# KiCad board m-blanc.kicad_pcb (continued)
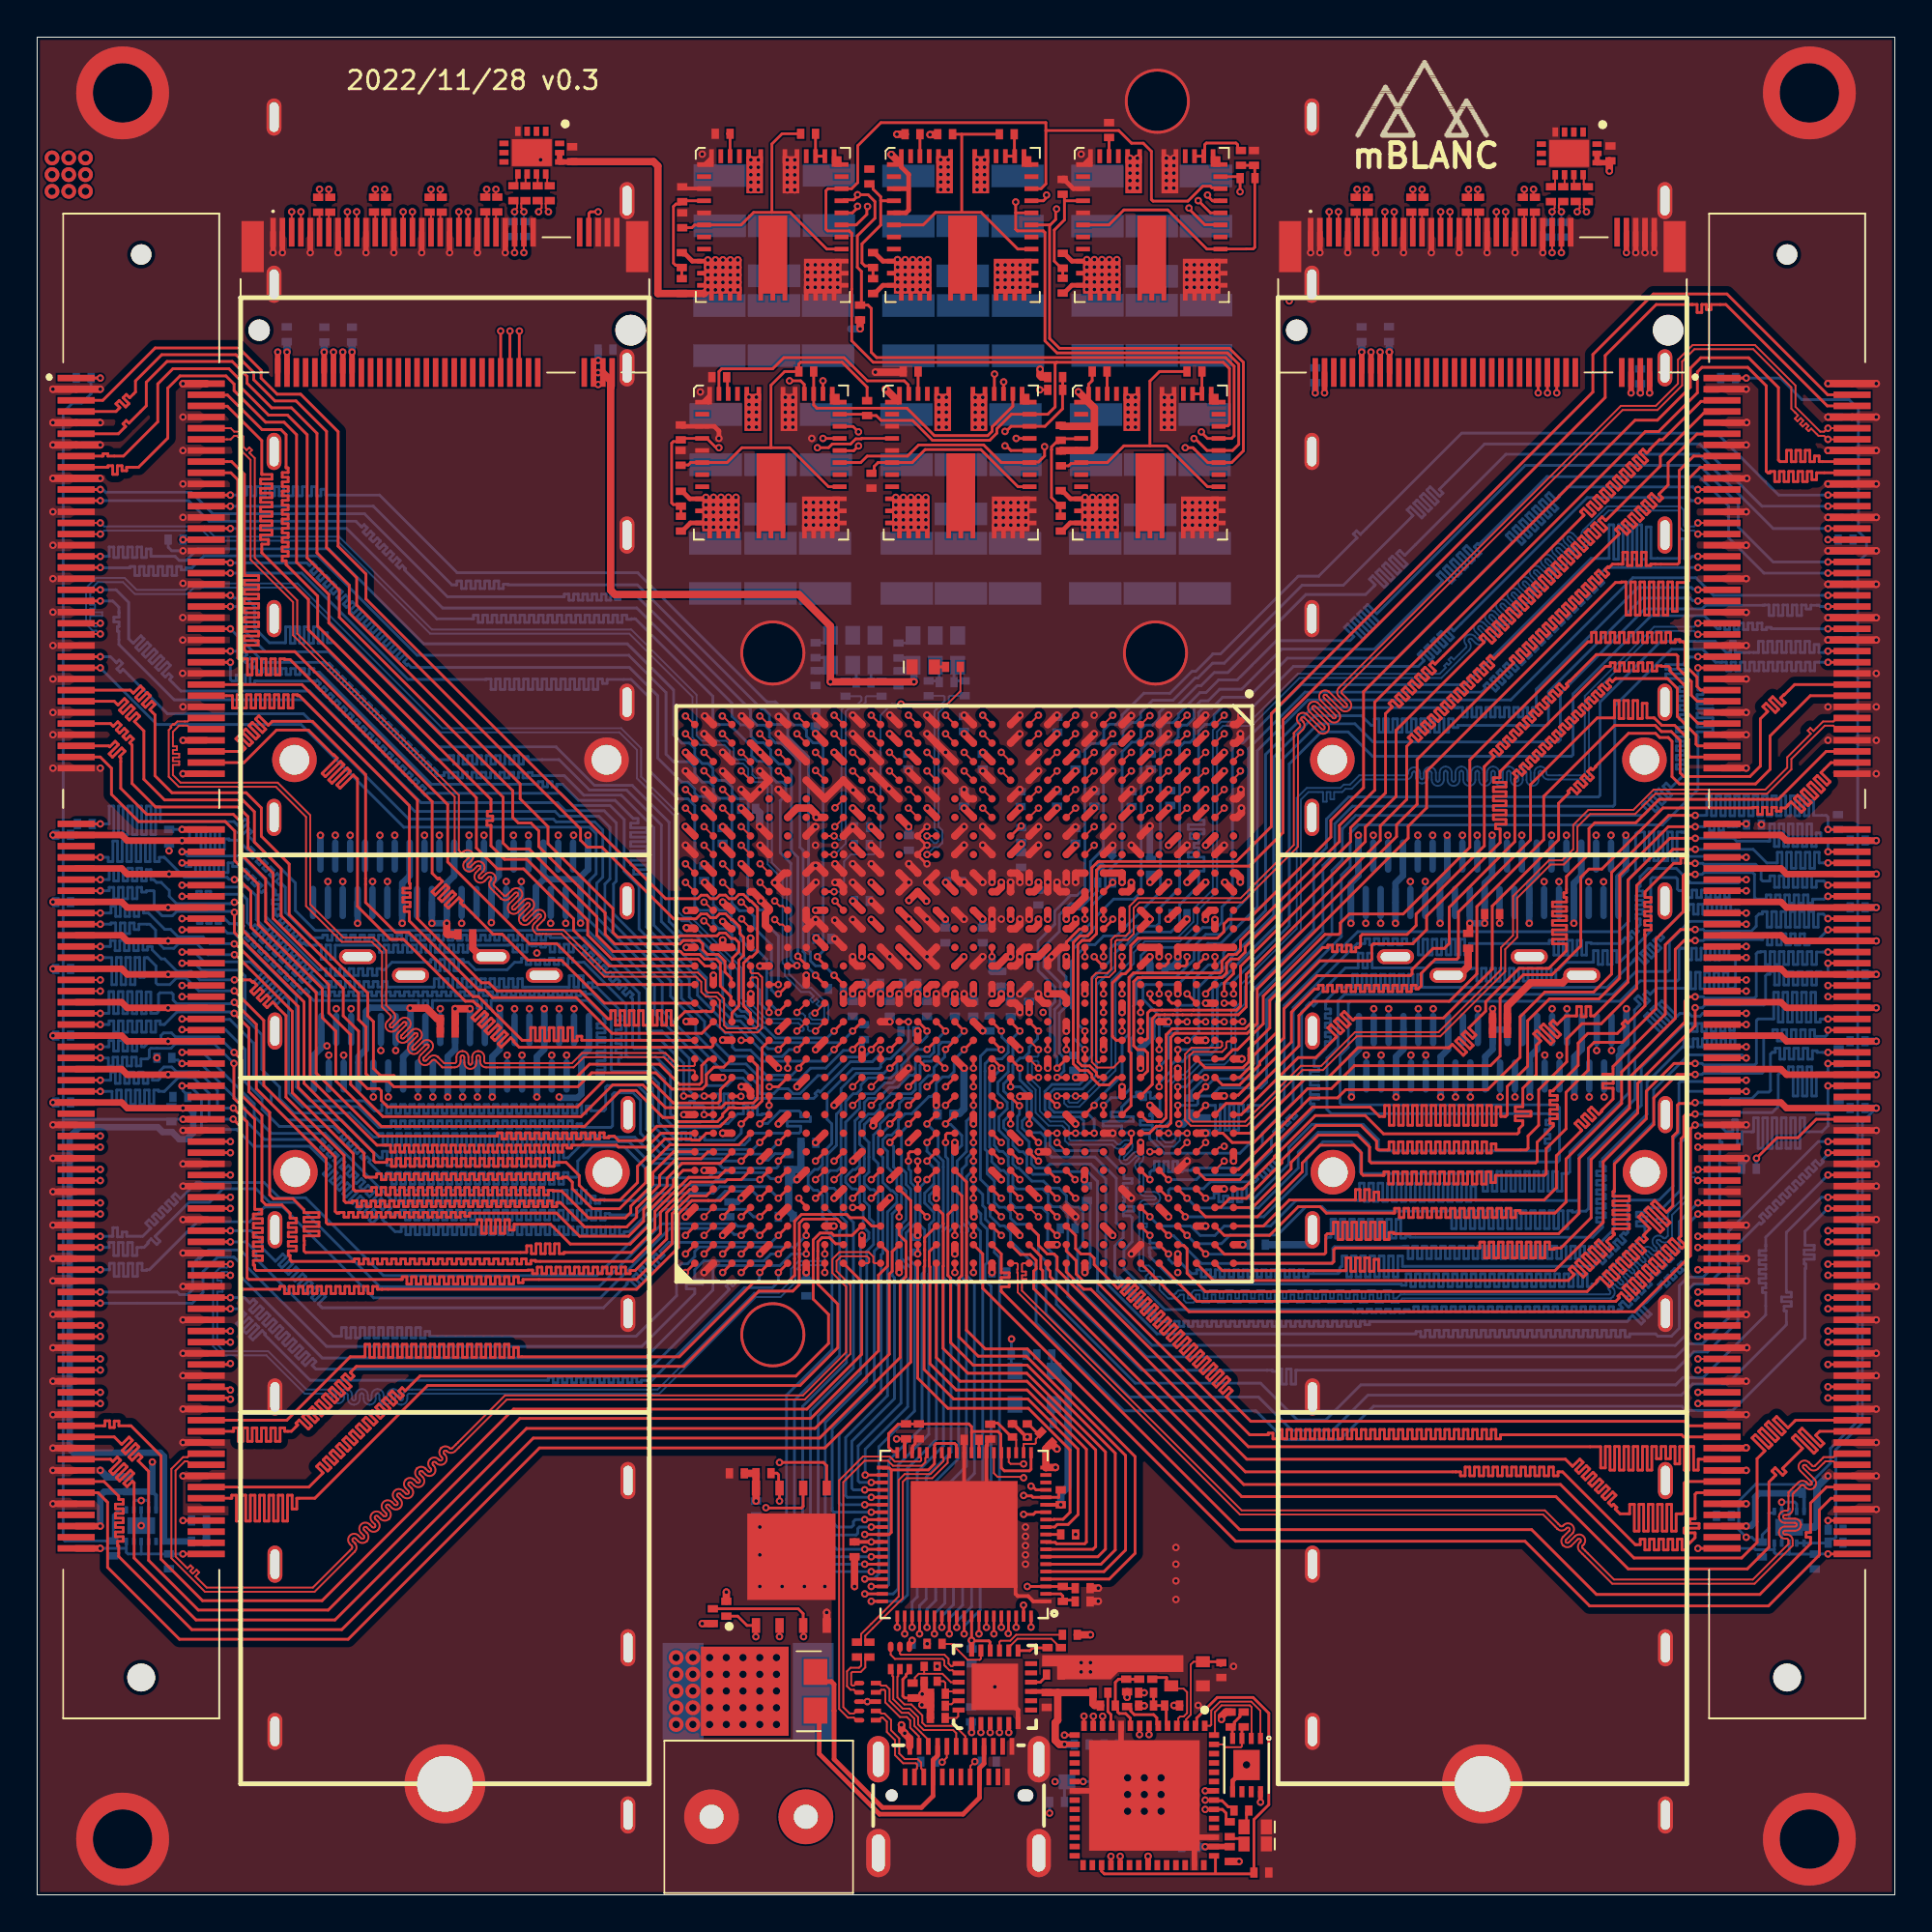
[diagram p0: board, top side]
## Placement (name value [footprint] x y rotation side) (continued)
C189  0.1u  [SMD0402]  47.5 13.51 0 bottom
C190  0.1u  [SMD0402]  72.77 84.01 270 bottom
C191  0.1u  [SMD0402]  98 53.15 0 bottom
C192  0.1u  [SMD0402]  98 49.55 0 bottom
C193  0.1u  [SMD0402]  97.99 45.95 0 bottom
C194  0.1u  [SMD0402]  97.99 42.35 0 bottom
C195  0.1u  [SMD0402]  1.4 46.25 180 bottom
C196  0.1u  [SMD0402]  1.4 49.84 180 bottom
C197  0.1u  [SMD0402]  1.4 42.65 180 bottom
C198  0.1u  [SMD0402]  62.9 41.42 270 bottom
C199  0.1u  [SMD0402]  40.45 39.44 90 bottom
C200  0.1u  [SMD0402]  1.4 53.44 180 bottom
CON1  USB4055  [DX07S024JA2R1200]  49.6 3.05 0 top
D1  V10P20-M3_86A  [V10P20M386A]  39.14 10.96 90 top
D2  CDBZ5T1045-HF  [DIOM8060X543N]  38.28 10.96 0 bottom
DIMM1  DDR3  [296409204003856]  5.6 50 270 top
DIMM2  DDR3  [296409204003856]  94.2 50 270 top
DS1  LED 0603  [LED0603]  65.57 3.66 0 top
DS2  LED 0603  [LED0603]  65.57 2.74 0 top
DS3  LED 0603  [LED0603]  47.7 66.1 180 top
FB1  600R/0.5A  [SMD0402]  51.9 49.31 270 bottom
FB2  600R/0.5A  [SMD0402]  57.64 10.19 180 top
FB3  600R/0.5A  [SMD0402]  59.69 10.88 180 top
FB4  600R/0.5A  [SMD0402]  46.77 24.95 90 top
FB5  600R/0.5A  [SMD0402]  55.21 16.2 270 top
FL1  ECMF04-4HSWM10  [SON50P135X260X55-10N-D]  44.7 10.4 180 top
FL2  ECMF02-2AMX6  [SON50P150X170X55-6N-D]  46.45 12.75 90 top
J1  CON  [TB00650802BE]  36.3 4.2 0 top
K1  DSC557-0344FI0  [QFN50P250X320X90-15N]  26.63 93.78 270 top
K2  DSC557-0344FI0  [QFN50P250X320X90-15N]  82.47 93.74 270 top
M.2 #1  PCI-M2-M  [PCIE-M2-M]  21.95 84.23 0 top
M.2 #2  PCI-M2-M  [PCIE-M2-M]  77.8 84.23 0 top
Q1  SI2324A-TP  [SI2305TP]  56.44 6.08 270 bottom
QSFP+ #1  1888617-1  [18886171]  86.55 38.9 180 bottom
QSFP+ #2  1888617-1  [18886171]  69.72 61.1 0 bottom
QSFP+ #3  1888617-1  [18886171]  13.85 61.1 0 bottom
QSFP+ #4  1888617-1  [18886171]  30.7 38.9 180 bottom
R1  1k6  [SMD0402]  64.2 3.53 90 top
R2  1k  [SMD0402]  55.5 19.4 0 top
R3  10k  [SMD0402]  55.1 21.4 90 top
R4  1k6  [SMD0402]  64.82 4.54 180 top
R5  1k6  [SMD0402]  50.3 24.5 180 top
R6  4k7  [SMD0402]  57.24 10.89 0 top
R7  12k  [SMD0402]  58.67 10.53 270 top
R8  2k  [SMD0402]  64.95 9.44 90 top
R9  10k  [SMD0402]  64.24 9.44 90 top
R10  100k  [SMD0402]  55.59 14 180 top
R11  50k  [SMD0402]  55.11 12.91 270 top
R12  50k  [SMD0402]  54.39 12.91 270 top
R13  50k  [SMD0402]  48.31 13.51 0 top
R14  12k  [SMD0402]  48.48 9.52 0 top
R15  4k7  [SMD0402]  54.9 5 180 bottom
R16  4k7  [SMD0402]  57.49 54.49 180 bottom
R17  4k7  [SMD0402]  36.37 15 270 top
R18  2k4  [SMD0402]  37.1 15.4 90 top
R19  4k7  [SMD0402]  39.1 22.7 180 top
R20  1k  [SMD0402]  47.29 35 90 bottom
R21  1k6  [SMD0402]  49.3 66.1 0 top
R22  4k7  [SMD0402]  96.98 45.14 90 bottom
R23  4k7  [SMD0402]  6.85 45.06 180 bottom
R24  4k7  [SMD0402]  96.98 43.15 270 bottom
R25  4k7  [SMD0402]  7.71 42.95 180 bottom
R26  4k7  [SMD0402]  97.35 72.95 0 bottom
R27  4k7  [SMD0402]  7.45 72.95 180 bottom
R28  4k7  [SMD0402]  92.42 57.61 0 bottom
R29  4k7  [SMD0402]  2.57 57.65 180 bottom
R30  4k7  [SMD0402]  96.94 57.75 90 bottom
R31  4k7  [SMD0402]  7.1 56.95 270 bottom
R32  4k7  [SMD0402]  96.81 19.65 0 bottom
R33  4k7  [SMD0402]  8.71 20.16 0 bottom
R34  10k  [SMD0402]  41.4 82 0 top
R35  2k  [SMD0402]  34.65 75.16 90 top
R36  3k  [SMD0402]  34.65 78.72 90 top
R37  10k  [SMD0402]  44.68 80.03 270 top
R38  4k99  [SMD0402]  36.72 81.7 180 top
R39  10k  [SMD0402]  54.8 81.02 180 top
R40  15k  [SMD0402]  47.02 82 180 top
R41  10k  [SMD0402]  62.3 82 0 top
R42  2k  [SMD0402]  55.1 75.19 90 top
R43  2k  [SMD0402]  55.1 78.7 90 top
R44  24k9  [SMD0402]  57.19 82 180 top
R45  10k  [SMD0402]  64.8 93.5 90 top
R46  2k  [SMD0402]  55.2 86.62 270 top
R47  1k6  [SMD0402]  55.2 91.94 90 top
R48  34k8  [SMD0402]  57.7 95 90 top
R49  10k  [SMD0402]  52.19 94.77 0 top
R50  5k  [SMD0402]  44.99 88 90 top
R51  2k5  [SMD0402]  44.8 92.5 90 top
R52  45k3  [SMD0402]  47.12 94.78 180 top
R53  10k  [SMD0402]  41.5 94.8 0 top
R54  4k5  [SMD0402]  34.7 88 90 top
R55  1k  [SMD0402]  34.72 91.54 90 top
R56  54k9  [SMD0402]  36.9 94.8 180 top
R57  10k  [SMD0402]  65.16 92.41 180 top
R58  10k  [SMD0402]  44.3 85.18 90 top
R59  10k  [SMD0402]  54.8 81.7 180 top
R60  5k1  [SMD0402]  51.23 7.17 180 bottom
R61  5k1  [SMD0402]  47.96 7.17 0 bottom
R62  4k7  [SMD0402]  55.1 25.4 180 bottom
R63  4k7  [SMD0402]  41.9 67 270 bottom
R64  100  [SMD0402]  44.49 65.26 0 bottom
R65  100  [SMD0402]  52.97 57.05 270 bottom
R66  4k7  [SMD0402]  78.32 52.79 0 top
R67  33  [SMD0402]  26.28 91.6 90 top
R68  33  [SMD0402]  25.63 91.6 90 top
R69  49R9  [SMD0402]  25.61 89.67 90 bottom
R70  49R9  [SMD0402]  26.26 89.67 90 bottom
R71  33  [SMD0402]  82.15 91.55 90 top
R72  33  [SMD0402]  81.49 91.55 90 top
R73  49R9  [SMD0402]  81.46 89.64 90 bottom
R74  49R9  [SMD0402]  82.11 89.64 90 bottom
R75  100k  [SMD0402]  57.83 8.09 0 bottom
R76  4k7  [SMD0402]  46.37 66.99 270 bottom
R77  100  [SMD0402]  48.96 65.28 0 bottom
U1  XC7K420T-1FFG901C  [FFG901]  49.9 48.5 270 top
U2  USB2422  [QFN-MJ24]  51.55 11.2 90 top
U3  FT2232H-56Q  [QFN50P800X800X100-57N-D]  59.6 5.35 270 top
U4  FT601Q-B-T  [*QFN40P900X900X100-77N]  49.9 19.4 180 top
U5  93LC46  [*SON50P200X300X100-9N]  65.1 6.99 270 top
U6  S25HL512  [SON127P800X600X80-9N-D]  40.6 18.2 90 top
U7  TPS51206  [SON40P200X200X80-11N]  5.6 19.88 90 bottom
U8  TPS51206  [SON40P200X200X80-11N]  94.31 19.79 90 bottom
VR1  MPM3695-10  [QFN45-MPM3695-10]  39.5 77.1 0 top
VR2  MPM3695-10  [QFN45-MPM3695-10]  49.72 77.1 0 top
VR3  MPM3695-10  [QFN45-MPM3695-10]  59.9 77.1 0 top
VR4  MPM3695-10  [QFN45-MPM3695-10#2]  60 89.89 0 top
VR5  MPM3695-10  [QFN45-MPM3695-10#2]  49.82 89.89 0 top
VR6  MPM3695-10  [QFN45-MPM3695-10#2]  39.6 89.89 0 top
X1  12Mhz  [CRYSTAL2520]  61.9 11.9 180 top
X2  24Mhz  [CRYSTAL1210]  48.1 11.9 270 top
X3  30Mhz  [CRYSTAL1210]  52.9 25 180 top
Y1  100.000MHZ  [ASEM1100000MHZLCT]  53.69 27.3 180 bottom
Y2  AX3DAF1-156.25  [AX3DAF11000000]  43.9 67 0 bottom
Y3  AX3DAF1-156.25  [AX3DAF11000000]  48.35 66.99 0 bottom

## Footprints (pads in the part's own frame, mm; a bottom-side part is the same pattern mirrored in y, then rotated)
18886171
  rrect 0.35x1.8 smd: 1(1.4,5.18) 2(2.2,5.18) 3(3,5.18) 4(3.8,5.18) 5(4.6,5.18) 6(5.4,5.18) 7(6.2,5.18) 8(7,5.18) 9(7.8,5.18) 10(8.6,5.18) 11(9.4,5.18) 12(10.2,5.18) 13(11,5.18) 14(11.8,5.18) 15(12.6,5.18) 16(13.4,5.18) 17(14.2,5.18) 18(15,5.18) 19(15.8,5.18) 20(15.4,7.68) 21(14.6,7.68) 22(13.8,7.68) 23(13,7.68) 24(12.2,7.68) 25(11.4,7.68) 26(10.6,7.68) 27(9.8,7.68) 28(9,7.68) 29(8.2,7.68) 30(7.4,7.68) 31(6.6,7.68) 32(5.8,7.68) 33(5,7.68) 34(4.2,7.68) 35(3.4,7.68) 36(2.6,7.68) 37(1.8,7.68) 38(1,7.68)
  round 2.4 hole 1.6: MH1(0,0) MH2(16.8,0)
  oval 0.8x2 hole 0.5x1.6: MH3(17.9,7.6) MH4(-1.1,3.1) MH5(-1.1,-7.6) MH6(-1.1,-16.6) MH7(-1.1,-25.6) MH8(-1.1,-34.6) MH9(17.9,-3.1) MH10(17.9,-12.1) MH11(17.9,-21.1) MH12(17.9,-30.1)
  oval 2x0.8 hole 1.6x0.5: MH13(3.4,10.6) MH14(10.6,10.6)
296409204003856
  round 1.1 hole 1.1 unplated: (-38.3,0)
  round 1.5 hole 1.5 unplated: (38.3,0)
  rect 0.35x2 smd: 1(-31.65,-3.5) 2(-31.35,3.5) 3(-31.05,-3.5) 4(-30.75,3.5) 5(-30.45,-3.5) 6(-30.15,3.5) 7(-29.85,-3.5) 8(-29.55,3.5) 9(-29.25,-3.5) 10(-28.95,3.5) 11(-28.65,-3.5) 12(-28.35,3.5) 13(-28.05,-3.5) 14(-27.75,3.5) 15(-27.45,-3.5) 16(-27.15,3.5) 17(-26.85,-3.5) 18(-26.55,3.5) 19(-26.25,-3.5) 20(-25.95,3.5) 21(-25.65,-3.5) 22(-25.35,3.5) 23(-25.05,-3.5) 24(-24.75,3.5) 25(-24.45,-3.5) 26(-24.15,3.5) 27(-23.85,-3.5) 28(-23.55,3.5) 29(-23.25,-3.5) 30(-22.95,3.5) 31(-22.65,-3.5) 32(-22.35,3.5) 33(-22.05,-3.5) 34(-21.75,3.5) 35(-21.45,-3.5) 36(-21.15,3.5) 37(-20.85,-3.5) 38(-20.55,3.5) 39(-20.25,-3.5) 40(-19.95,3.5) 41(-19.65,-3.5) 42(-19.35,3.5) 43(-19.05,-3.5) 44(-18.75,3.5) 45(-18.45,-3.5) 46(-18.15,3.5) 47(-17.85,-3.5) 48(-17.55,3.5) 49(-17.25,-3.5) 50(-16.95,3.5) 51(-16.65,-3.5) 52(-16.35,3.5) 53(-16.05,-3.5) 54(-15.75,3.5) 55(-15.45,-3.5) 56(-15.15,3.5) 57(-14.85,-3.5) 58(-14.55,3.5) 59(-14.25,-3.5) 60(-13.95,3.5) 61(-13.65,-3.5) 62(-13.35,3.5) 63(-13.05,-3.5) 64(-12.75,3.5) 65(-12.45,-3.5) 66(-12.15,3.5) 67(-11.85,-3.5) 68(-11.55,3.5) 69(-11.25,-3.5) 70(-10.95,3.5) 71(-10.65,-3.5) 72(-10.35,3.5) 73(-7.65,-3.5) 74(-7.35,3.5) 75(-7.05,-3.5) 76(-6.75,3.5) 77(-6.45,-3.5) 78(-6.15,3.5) 79(-5.85,-3.5) 80(-5.55,3.5) 81(-5.25,-3.5) 82(-4.95,3.5) 83(-4.65,-3.5) 84(-4.35,3.5) 85(-4.05,-3.5) 86(-3.75,3.5) 87(-3.45,-3.5) 88(-3.15,3.5) 89(-2.85,-3.5) 90(-2.55,3.5) 91(-2.25,-3.5) 92(-1.95,3.5) 93(-1.65,-3.5) 94(-1.35,3.5) 95(-1.05,-3.5) 96(-0.75,3.5) 97(-0.45,-3.5) 98(-0.15,3.5) 99(0.15,-3.5) 100(0.45,3.5) 101(0.75,-3.5) 102(1.05,3.5) 103(1.35,-3.5) 104(1.65,3.5) 105(1.95,-3.5) 106(2.25,3.5) 107(2.55,-3.5) 108(2.85,3.5) 109(3.15,-3.5) 110(3.45,3.5) 111(3.75,-3.5) 112(4.05,3.5) 113(4.35,-3.5) 114(4.65,3.5) 115(4.95,-3.5) 116(5.25,3.5) 117(5.55,-3.5) 118(5.85,3.5) 119(6.15,-3.5) 120(6.45,3.5) 121(6.75,-3.5) 122(7.05,3.5) 123(7.35,-3.5) 124(7.65,3.5) 125(7.95,-3.5) 126(8.25,3.5) 127(8.55,-3.5) 128(8.85,3.5) 129(9.15,-3.5) 130(9.45,3.5) 131(9.75,-3.5) 132(10.05,3.5) 133(10.35,-3.5) 134(10.65,3.5) 135(10.95,-3.5) 136(11.25,3.5) 137(11.55,-3.5) 138(11.85,3.5) 139(12.15,-3.5) 140(12.45,3.5) 141(12.75,-3.5) 142(13.05,3.5) 143(13.35,-3.5) 144(13.65,3.5) 145(13.95,-3.5) 146(14.25,3.5) 147(14.55,-3.5) 148(14.85,3.5) 149(15.15,-3.5) 150(15.45,3.5) 151(15.75,-3.5) 152(16.05,3.5) 153(16.35,-3.5) 154(16.65,3.5) 155(16.95,-3.5) 156(17.25,3.5) 157(17.55,-3.5) 158(17.85,3.5) 159(18.15,-3.5) 160(18.45,3.5) 161(18.75,-3.5) 162(19.05,3.5) 163(19.35,-3.5) 164(19.65,3.5) 165(19.95,-3.5) 166(20.25,3.5) 167(20.55,-3.5) 168(20.85,3.5) 169(21.15,-3.5) 170(21.45,3.5) 171(21.75,-3.5) 172(22.05,3.5) 173(22.35,-3.5) 174(22.65,3.5) 175(22.95,-3.5) 176(23.25,3.5) 177(23.55,-3.5) 178(23.85,3.5) 179(24.15,-3.5) 180(24.45,3.5) 181(24.75,-3.5) 182(25.05,3.5) 183(25.35,-3.5) 184(25.65,3.5) 185(25.95,-3.5) 186(26.25,3.5) 187(26.55,-3.5) 188(26.85,3.5) 189(27.15,-3.5) 190(27.45,3.5) 191(27.75,-3.5) 192(28.05,3.5) 193(28.35,-3.5) 194(28.65,3.5) 195(28.95,-3.5) 196(29.25,3.5) 197(29.55,-3.5) 198(29.85,3.5) 199(30.15,-3.5) 200(30.45,3.5) 201(30.75,-3.5) 202(31.05,3.5) 203(31.35,-3.5) 204(31.65,3.5)
*QFN40P900X900X100-77N
  rect 0.6x0.2 smd: 1(-4.4,3.6) 2(-4.4,3.2) 3(-4.4,2.8) 4(-4.4,2.4) 5(-4.4,2) 6(-4.4,1.6) 7(-4.4,1.2) 8(-4.4,0.8) 9(-4.4,0.4) 10(-4.4,0) 11(-4.4,-0.4) 12(-4.4,-0.8) 13(-4.4,-1.2) 14(-4.4,-1.6) 15(-4.4,-2) 16(-4.4,-2.4) 17(-4.4,-2.8) 18(-4.4,-3.2) 19(-4.4,-3.6) 39(4.4,-3.6) 40(4.4,-3.2) 41(4.4,-2.8) 42(4.4,-2.4) 43(4.4,-2) 44(4.4,-1.6) 45(4.4,-1.2) 46(4.4,-0.8) 47(4.4,-0.4) 48(4.4,0) 49(4.4,0.4) 50(4.4,0.8) 51(4.4,1.2) 52(4.4,1.6) 53(4.4,2) 54(4.4,2.4) 55(4.4,2.8) 56(4.4,3.2) 57(4.4,3.6)
  rect 0.2x0.6 smd: 20(-3.6,-4.4) 21(-3.2,-4.4) 22(-2.8,-4.4) 23(-2.4,-4.4) 24(-2,-4.4) 25(-1.6,-4.4) 26(-1.2,-4.4) 27(-0.8,-4.4) 28(-0.4,-4.4) 29(0,-4.4) 30(0.4,-4.4) 31(0.8,-4.4) 32(1.2,-4.4) 33(1.6,-4.4) 34(2,-4.4) 35(2.4,-4.4) 36(2.8,-4.4) 37(3.2,-4.4) 38(3.6,-4.4) 58(3.6,4.4) 59(3.2,4.4) 60(2.8,4.4) 61(2.4,4.4) 62(2,4.4) 63(1.6,4.4) 64(1.2,4.4) 65(0.8,4.4) 66(0.4,4.4) 67(0,4.4) 68(-0.4,4.4) 69(-0.8,4.4) 70(-1.2,4.4) 71(-1.6,4.4) 72(-2,4.4) 73(-2.4,4.4) 74(-2.8,4.4) 75(-3.2,4.4) 76(-3.6,4.4)
  rect 5.75x5.75 smd: 77(0,0)
*SON50P200X300X100-9N
  rect 0.6x0.27 smd: 1(-1.435,0.75) 2(-1.435,0.25) 3(-1.435,-0.25) 4(-1.435,-0.75) 5(1.435,-0.75) 6(1.435,-0.25) 7(1.435,0.25) 8(1.435,0.75)
  rect 1.625x1.425 smd: 9(0,0)
ASEM1100000MHZLCT
  rect 0.8x0.9 smd: 1(-1.05,-0.9) 2(1.05,-0.9) 3(1.05,0.9) 4(-1.05,0.9)
AX3DAF11000000
  rect 0.8x1 smd: 1(-1.2,-0.8) 2(0,-0.8) 3(1.2,-0.8) 4(1.2,0.8) 5(0,0.8) 6(-1.2,0.8)
CAPC3225X280N
  rect 1.22x2.82 smd: 1(-1.35,0) 2(1.35,0)
CAPC3225X280N#2
  rect 1.22x2.82 smd: 1(-1.35,0) 2(1.35,0)
CAPC3225X280N#3
  rect 1.22x2.82 smd: 1(-1.35,0) 2(1.301,0)
CRYSTAL1210
  rect 0.5x0.4 smd: 1(-0.4,-0.35) 2(0.4,-0.35) 3(0.4,0.35) 4(-0.4,0.35)
CRYSTAL2520
  rect 0.75x0.6 smd: 1(-0.85,-0.65) 2(0.85,-0.65) 3(0.85,0.65) 4(-0.85,0.65)
DIOM8060X543N
  rect 2.2x5.2 smd: 1(-3.5,0) 2(3.5,0)
DX07S024JA2R1200
  round 0.65 hole 0.65 unplated: (-3.6,2.3)
  oval 0.85x0.65 hole 0.85x0.65 unplated: (3.6,2.3)
  rect 0.25x0.9 smd: A1(-2.628,4.942) A2(-2.128,4.942) A3(-1.628,4.942) A4(-1.128,4.942) A5(-0.628,4.942) A6(-0.128,4.942) A7(0.372,4.942) A8(0.872,4.942) A9(1.372,4.942) A10(1.872,4.942) A11(2.372,4.942) A12(2.872,4.942) B1(2.625,3.297) B2(2.125,3.297) B3(1.625,3.297) B4(1.125,3.297) B5(0.625,3.297) B6(0.125,3.297) B7(-0.375,3.297) B8(-0.875,3.297) B9(-1.375,3.297) B10(-1.875,3.297) B11(-2.375,3.297) B12(-2.875,3.297)
  oval 1.2x2.5 hole 0.6x1.9: S(-4.32,4.25) S(4.32,4.25)
  oval 1.3x2.6 hole 0.7x2: S(-4.32,-0.8) S(4.32,-0.8)
FFG901
  round 0.4 smd: A1(-14.5,14.5) A2(-13.5,14.5) A3(-12.5,14.5) A4(-11.5,14.5) A5(-10.5,14.5) A6(-9.5,14.5) A7(-8.5,14.5) A8(-7.5,14.5) A9(-6.5,14.5) A10(-5.5,14.5) A11(-4.5,14.5) A12(-3.5,14.5) A13(-2.5,14.5) A14(-1.5,14.5) A15(-0.5,14.5) A16(0.5,14.5) A17(1.5,14.5) A18(2.5,14.5) A19(3.5,14.5) A20(4.5,14.5) A21(5.5,14.5) A22(6.5,14.5) A23(7.5,14.5) A24(8.5,14.5) A25(9.5,14.5) A26(10.5,14.5) A27(11.5,14.5) A28(12.5,14.5) A29(13.5,14.5) A30(14.5,14.5) AA1(-14.5,-5.5) AA2(-13.5,-5.5) AA3(-12.5,-5.5) AA4(-11.5,-5.5) AA5(-10.5,-5.5) AA6(-9.5,-5.5) AA7(-8.5,-5.5) AA8(-7.5,-5.5) AA9(-6.5,-5.5) AA10(-5.5,-5.5) AA11(-4.5,-5.5) AA12(-3.5,-5.5) AA13(-2.5,-5.5) AA14(-1.5,-5.5) AA15(-0.5,-5.5) AA16(0.5,-5.5) AA17(1.5,-5.5) AA18(2.5,-5.5) AA19(3.5,-5.5) AA20(4.5,-5.5) AA21(5.5,-5.5) AA22(6.5,-5.5) AA23(7.5,-5.5) AA24(8.5,-5.5) AA25(9.5,-5.5) AA26(10.5,-5.5) AA27(11.5,-5.5) AA28(12.5,-5.5) AA29(13.5,-5.5) AA30(14.5,-5.5) AB1(-14.5,-6.5) AB2(-13.5,-6.5) AB3(-12.5,-6.5) AB4(-11.5,-6.5) AB5(-10.5,-6.5) AB6(-9.5,-6.5) AB7(-8.5,-6.5) AB8(-7.5,-6.5) AB9(-6.5,-6.5) AB10(-5.5,-6.5) AB11(-4.5,-6.5) AB12(-3.5,-6.5) AB13(-2.5,-6.5) AB14(-1.5,-6.5) AB15(-0.5,-6.5) AB16(0.5,-6.5) AB17(1.5,-6.5) AB18(2.5,-6.5) AB19(3.5,-6.5) AB20(4.5,-6.5) AB21(5.5,-6.5) AB22(6.5,-6.5) AB23(7.5,-6.5) AB24(8.5,-6.5) AB25(9.5,-6.5) AB26(10.5,-6.5) AB27(11.5,-6.5) AB28(12.5,-6.5) AB29(13.5,-6.5) AB30(14.5,-6.5) AC1(-14.5,-7.5) AC2(-13.5,-7.5) AC3(-12.5,-7.5) AC4(-11.5,-7.5) AC5(-10.5,-7.5) AC6(-9.5,-7.5) AC7(-8.5,-7.5) AC8(-7.5,-7.5) AC9(-6.5,-7.5) AC10(-5.5,-7.5) AC11(-4.5,-7.5) AC12(-3.5,-7.5) AC13(-2.5,-7.5) AC14(-1.5,-7.5) AC15(-0.5,-7.5) AC16(0.5,-7.5) AC17(1.5,-7.5) AC18(2.5,-7.5) AC19(3.5,-7.5) AC20(4.5,-7.5) AC21(5.5,-7.5) AC22(6.5,-7.5) AC23(7.5,-7.5) AC24(8.5,-7.5) AC25(9.5,-7.5) AC26(10.5,-7.5) AC27(11.5,-7.5) AC28(12.5,-7.5) AC29(13.5,-7.5) AC30(14.5,-7.5) AD1(-14.5,-8.5) AD2(-13.5,-8.5) AD3(-12.5,-8.5) AD4(-11.5,-8.5) AD5(-10.5,-8.5) AD6(-9.5,-8.5) AD7(-8.5,-8.5) AD8(-7.5,-8.5) AD9(-6.5,-8.5) AD10(-5.5,-8.5) AD11(-4.5,-8.5) AD12(-3.5,-8.5) AD13(-2.5,-8.5) AD14(-1.5,-8.5) AD15(-0.5,-8.5) AD16(0.5,-8.5) AD17(1.5,-8.5) AD18(2.5,-8.5) AD19(3.5,-8.5) AD20(4.5,-8.5) AD21(5.5,-8.5) AD22(6.5,-8.5) AD23(7.5,-8.5) AD24(8.5,-8.5) AD25(9.5,-8.5) AD26(10.5,-8.5) AD27(11.5,-8.5) AD28(12.5,-8.5) AD29(13.5,-8.5) AD30(14.5,-8.5) AE1(-14.5,-9.5) AE2(-13.5,-9.5) AE3(-12.5,-9.5) AE4(-11.5,-9.5) AE5(-10.5,-9.5) AE6(-9.5,-9.5) AE7(-8.5,-9.5) AE8(-7.5,-9.5) AE9(-6.5,-9.5) AE10(-5.5,-9.5) AE11(-4.5,-9.5) AE12(-3.5,-9.5) AE13(-2.5,-9.5) AE14(-1.5,-9.5) AE15(-0.5,-9.5) AE16(0.5,-9.5) AE17(1.5,-9.5) AE18(2.5,-9.5) AE19(3.5,-9.5) AE20(4.5,-9.5) AE21(5.5,-9.5) AE22(6.5,-9.5) AE23(7.5,-9.5) AE24(8.5,-9.5) AE25(9.5,-9.5) AE26(10.5,-9.5) AE27(11.5,-9.5) AE28(12.5,-9.5) AE29(13.5,-9.5) AE30(14.5,-9.5) AF1(-14.5,-10.5) AF2(-13.5,-10.5) AF3(-12.5,-10.5) AF4(-11.5,-10.5) AF5(-10.5,-10.5) AF6(-9.5,-10.5) AF7(-8.5,-10.5) AF8(-7.5,-10.5) AF9(-6.5,-10.5) AF10(-5.5,-10.5) AF11(-4.5,-10.5) AF12(-3.5,-10.5) AF13(-2.5,-10.5) AF14(-1.5,-10.5) AF15(-0.5,-10.5) AF16(0.5,-10.5) AF17(1.5,-10.5) AF18(2.5,-10.5) AF19(3.5,-10.5) AF20(4.5,-10.5) AF21(5.5,-10.5) AF22(6.5,-10.5) AF23(7.5,-10.5) AF24(8.5,-10.5) AF25(9.5,-10.5) AF26(10.5,-10.5) AF27(11.5,-10.5) AF28(12.5,-10.5) AF29(13.5,-10.5) AF30(14.5,-10.5) AG1(-14.5,-11.5) AG2(-13.5,-11.5) AG3(-12.5,-11.5) AG4(-11.5,-11.5) AG5(-10.5,-11.5) AG6(-9.5,-11.5) AG7(-8.5,-11.5) AG8(-7.5,-11.5) AG9(-6.5,-11.5) AG10(-5.5,-11.5) AG11(-4.5,-11.5) AG12(-3.5,-11.5) AG13(-2.5,-11.5) AG14(-1.5,-11.5) AG15(-0.5,-11.5) AG16(0.5,-11.5) AG17(1.5,-11.5) AG18(2.5,-11.5) AG19(3.5,-11.5) AG20(4.5,-11.5) AG21(5.5,-11.5) AG22(6.5,-11.5) AG23(7.5,-11.5) AG24(8.5,-11.5) AG25(9.5,-11.5) AG26(10.5,-11.5) AG27(11.5,-11.5) AG28(12.5,-11.5) AG29(13.5,-11.5) AG30(14.5,-11.5) AH1(-14.5,-12.5) AH2(-13.5,-12.5) AH3(-12.5,-12.5) AH4(-11.5,-12.5) AH5(-10.5,-12.5) AH6(-9.5,-12.5) AH7(-8.5,-12.5) AH8(-7.5,-12.5) AH9(-6.5,-12.5) AH10(-5.5,-12.5) AH11(-4.5,-12.5) AH12(-3.5,-12.5) AH13(-2.5,-12.5) AH14(-1.5,-12.5) AH15(-0.5,-12.5) AH16(0.5,-12.5) AH17(1.5,-12.5) AH18(2.5,-12.5) AH19(3.5,-12.5) AH20(4.5,-12.5) AH21(5.5,-12.5) AH22(6.5,-12.5) AH23(7.5,-12.5) AH24(8.5,-12.5) AH25(9.5,-12.5) AH26(10.5,-12.5) AH27(11.5,-12.5) AH28(12.5,-12.5) AH29(13.5,-12.5) AH30(14.5,-12.5) AJ1(-14.5,-13.5) AJ2(-13.5,-13.5) AJ3(-12.5,-13.5) AJ4(-11.5,-13.5) AJ5(-10.5,-13.5) AJ6(-9.5,-13.5) AJ7(-8.5,-13.5) AJ8(-7.5,-13.5) AJ9(-6.5,-13.5) AJ10(-5.5,-13.5) AJ11(-4.5,-13.5) AJ12(-3.5,-13.5) AJ13(-2.5,-13.5) AJ14(-1.5,-13.5) AJ15(-0.5,-13.5) AJ16(0.5,-13.5) AJ17(1.5,-13.5) AJ18(2.5,-13.5) AJ19(3.5,-13.5) AJ20(4.5,-13.5) AJ21(5.5,-13.5) AJ22(6.5,-13.5) AJ23(7.5,-13.5) AJ24(8.5,-13.5) AJ25(9.5,-13.5) AJ26(10.5,-13.5) AJ27(11.5,-13.5) AJ28(12.5,-13.5) AJ29(13.5,-13.5) AJ30(14.5,-13.5) AK1(-14.5,-14.5) AK2(-13.5,-14.5) AK3(-12.5,-14.5) AK4(-11.5,-14.5) AK5(-10.5,-14.5) AK6(-9.5,-14.5) AK7(-8.5,-14.5) AK8(-7.5,-14.5) AK9(-6.5,-14.5) AK10(-5.5,-14.5) AK11(-4.5,-14.5) AK12(-3.5,-14.5) AK13(-2.5,-14.5) AK14(-1.5,-14.5) AK15(-0.5,-14.5) AK16(0.5,-14.5) AK17(1.5,-14.5) AK18(2.5,-14.5) AK19(3.5,-14.5) AK20(4.5,-14.5) AK21(5.5,-14.5) AK22(6.5,-14.5) AK23(7.5,-14.5) AK24(8.5,-14.5) AK25(9.5,-14.5) AK26(10.5,-14.5) AK27(11.5,-14.5) AK28(12.5,-14.5) AK29(13.5,-14.5) AK30(14.5,-14.5) B1(-14.5,13.5) B2(-13.5,13.5) B3(-12.5,13.5) B4(-11.5,13.5) B5(-10.5,13.5) B6(-9.5,13.5) B7(-8.5,13.5) B8(-7.5,13.5) B9(-6.5,13.5) B10(-5.5,13.5) B11(-4.5,13.5) B12(-3.5,13.5) B13(-2.5,13.5) B14(-1.5,13.5) B15(-0.5,13.5) B16(0.5,13.5) B17(1.5,13.5) B18(2.5,13.5) B19(3.5,13.5) B20(4.5,13.5) B21(5.5,13.5) B22(6.5,13.5) B23(7.5,13.5) B24(8.5,13.5) B25(9.5,13.5) B26(10.5,13.5) B27(11.5,13.5) B28(12.5,13.5) B29(13.5,13.5) B30(14.5,13.5) C1(-14.5,12.5) C2(-13.5,12.5) C3(-12.5,12.5) C4(-11.5,12.5) C5(-10.5,12.5) C6(-9.5,12.5) C7(-8.5,12.5) C8(-7.5,12.5) C9(-6.5,12.5) C10(-5.5,12.5) C11(-4.5,12.5) C12(-3.5,12.5) C13(-2.5,12.5) C14(-1.5,12.5) C15(-0.5,12.5) C16(0.5,12.5) C17(1.5,12.5) C18(2.5,12.5) C19(3.5,12.5) C20(4.5,12.5) C21(5.5,12.5) C22(6.5,12.5) C23(7.5,12.5) C24(8.5,12.5) C25(9.5,12.5) C26(10.5,12.5) C27(11.5,12.5) C28(12.5,12.5) C29(13.5,12.5) C30(14.5,12.5) D1(-14.5,11.5) D2(-13.5,11.5) D3(-12.5,11.5) D4(-11.5,11.5) D5(-10.5,11.5) D6(-9.5,11.5) D7(-8.5,11.5) D8(-7.5,11.5) D9(-6.5,11.5) D10(-5.5,11.5) D11(-4.5,11.5) D12(-3.5,11.5) D13(-2.5,11.5) D14(-1.5,11.5) D15(-0.5,11.5) D16(0.5,11.5) D17(1.5,11.5) D18(2.5,11.5) D19(3.5,11.5) D20(4.5,11.5) D21(5.5,11.5) D22(6.5,11.5) D23(7.5,11.5) D24(8.5,11.5) D25(9.5,11.5) D26(10.5,11.5) D27(11.5,11.5) D28(12.5,11.5) D29(13.5,11.5) D30(14.5,11.5) E1(-14.5,10.5) E2(-13.5,10.5) E3(-12.5,10.5) E4(-11.5,10.5) E5(-10.5,10.5) E6(-9.5,10.5) E7(-8.5,10.5) E8(-7.5,10.5) E9(-6.5,10.5) E10(-5.5,10.5) E11(-4.5,10.5) E12(-3.5,10.5) E13(-2.5,10.5) E14(-1.5,10.5) E15(-0.5,10.5) E16(0.5,10.5) E17(1.5,10.5) E18(2.5,10.5) E19(3.5,10.5) E20(4.5,10.5) E21(5.5,10.5) E22(6.5,10.5) E23(7.5,10.5) E24(8.5,10.5) E25(9.5,10.5) E26(10.5,10.5) E27(11.5,10.5) E28(12.5,10.5) E29(13.5,10.5) E30(14.5,10.5) F1(-14.5,9.5) F2(-13.5,9.5) F3(-12.5,9.5) F4(-11.5,9.5) F5(-10.5,9.5) F6(-9.5,9.5) F7(-8.5,9.5) F8(-7.5,9.5) F9(-6.5,9.5) F10(-5.5,9.5) F11(-4.5,9.5) F12(-3.5,9.5) F13(-2.5,9.5) F14(-1.5,9.5) F15(-0.5,9.5) F16(0.5,9.5) F17(1.5,9.5) F18(2.5,9.5) F19(3.5,9.5) F20(4.5,9.5) F21(5.5,9.5) F22(6.5,9.5) F23(7.5,9.5) F24(8.5,9.5) F25(9.5,9.5) F26(10.5,9.5) F27(11.5,9.5) F28(12.5,9.5) F29(13.5,9.5) F30(14.5,9.5) G1(-14.5,8.5) G2(-13.5,8.5) G3(-12.5,8.5) G4(-11.5,8.5) G5(-10.5,8.5) G6(-9.5,8.5) G7(-8.5,8.5) G8(-7.5,8.5) G9(-6.5,8.5) G10(-5.5,8.5) G11(-4.5,8.5) G12(-3.5,8.5) G13(-2.5,8.5) G14(-1.5,8.5) G15(-0.5,8.5) G16(0.5,8.5) G17(1.5,8.5) G18(2.5,8.5) G19(3.5,8.5) G20(4.5,8.5) G21(5.5,8.5) G22(6.5,8.5) G23(7.5,8.5) G24(8.5,8.5) G25(9.5,8.5) G26(10.5,8.5) G27(11.5,8.5) G28(12.5,8.5) G29(13.5,8.5) G30(14.5,8.5) H1(-14.5,7.5) H2(-13.5,7.5) H3(-12.5,7.5) H4(-11.5,7.5) H5(-10.5,7.5) H6(-9.5,7.5) H7(-8.5,7.5) H8(-7.5,7.5) H9(-6.5,7.5) H10(-5.5,7.5) H11(-4.5,7.5) H12(-3.5,7.5) H13(-2.5,7.5) H14(-1.5,7.5) H15(-0.5,7.5) H16(0.5,7.5) H17(1.5,7.5) H18(2.5,7.5) H19(3.5,7.5) H20(4.5,7.5) H21(5.5,7.5) H22(6.5,7.5) H23(7.5,7.5) H24(8.5,7.5) H25(9.5,7.5) H26(10.5,7.5) H27(11.5,7.5) H28(12.5,7.5) H29(13.5,7.5) H30(14.5,7.5) J1(-14.5,6.5) J2(-13.5,6.5) J3(-12.5,6.5) J4(-11.5,6.5) J5(-10.5,6.5) J6(-9.5,6.5) J7(-8.5,6.5) J8(-7.5,6.5) J9(-6.5,6.5) J10(-5.5,6.5) J11(-4.5,6.5) J12(-3.5,6.5) J13(-2.5,6.5) J14(-1.5,6.5) J15(-0.5,6.5) J16(0.5,6.5) J17(1.5,6.5) J18(2.5,6.5) J19(3.5,6.5) J20(4.5,6.5) J21(5.5,6.5) J22(6.5,6.5) J23(7.5,6.5) J24(8.5,6.5) J25(9.5,6.5) J26(10.5,6.5) J27(11.5,6.5) J28(12.5,6.5) J29(13.5,6.5) J30(14.5,6.5) K1(-14.5,5.5) K2(-13.5,5.5) K3(-12.5,5.5) K4(-11.5,5.5) K5(-10.5,5.5) K6(-9.5,5.5) K7(-8.5,5.5) K8(-7.5,5.5) K9(-6.5,5.5) K10(-5.5,5.5) K11(-4.5,5.5) K12(-3.5,5.5) K13(-2.5,5.5) K14(-1.5,5.5) K15(-0.5,5.5) K16(0.5,5.5) K17(1.5,5.5) K18(2.5,5.5) K19(3.5,5.5) K20(4.5,5.5) K21(5.5,5.5) K22(6.5,5.5) K23(7.5,5.5) K24(8.5,5.5) K25(9.5,5.5) K26(10.5,5.5) K27(11.5,5.5) K28(12.5,5.5) K29(13.5,5.5) K30(14.5,5.5) L1(-14.5,4.5) L2(-13.5,4.5) L3(-12.5,4.5) L4(-11.5,4.5) L5(-10.5,4.5) L6(-9.5,4.5) L7(-8.5,4.5) L8(-7.5,4.5) L9(-6.5,4.5) L10(-5.5,4.5) L11(-4.5,4.5) L12(-3.5,4.5) L13(-2.5,4.5) L14(-1.5,4.5) L15(-0.5,4.5) L16(0.5,4.5) L17(1.5,4.5) L18(2.5,4.5) L19(3.5,4.5) L20(4.5,4.5) L21(5.5,4.5) L22(6.5,4.5) L23(7.5,4.5) L24(8.5,4.5) L25(9.5,4.5) L26(10.5,4.5) L27(11.5,4.5) L28(12.5,4.5) L29(13.5,4.5) L30(14.5,4.5) M1(-14.5,3.5) M2(-13.5,3.5) M3(-12.5,3.5) M4(-11.5,3.5) M5(-10.5,3.5) M6(-9.5,3.5) M7(-8.5,3.5) M8(-7.5,3.5) M9(-6.5,3.5) M10(-5.5,3.5) M11(-4.5,3.5) M12(-3.5,3.5) M13(-2.5,3.5) M14(-1.5,3.5) M15(-0.5,3.5) M16(0.5,3.5) M17(1.5,3.5) M18(2.5,3.5) M19(3.5,3.5) M20(4.5,3.5) M21(5.5,3.5) M22(6.5,3.5) M23(7.5,3.5) M24(8.5,3.5) M25(9.5,3.5) M26(10.5,3.5) M27(11.5,3.5) M28(12.5,3.5) M29(13.5,3.5) M30(14.5,3.5) N1(-14.5,2.5) N2(-13.5,2.5) N3(-12.5,2.5) N4(-11.5,2.5) N5(-10.5,2.5) N6(-9.5,2.5) N7(-8.5,2.5) N8(-7.5,2.5) N9(-6.5,2.5) N10(-5.5,2.5) N11(-4.5,2.5) N12(-3.5,2.5) N13(-2.5,2.5) N14(-1.5,2.5) N15(-0.5,2.5) N16(0.5,2.5) N17(1.5,2.5) N18(2.5,2.5) N19(3.5,2.5) N20(4.5,2.5) N21(5.5,2.5) N22(6.5,2.5) N23(7.5,2.5) N24(8.5,2.5) N25(9.5,2.5) N26(10.5,2.5) N27(11.5,2.5) N28(12.5,2.5) N29(13.5,2.5) N30(14.5,2.5) P1(-14.5,1.5) P2(-13.5,1.5) P3(-12.5,1.5) P4(-11.5,1.5) P5(-10.5,1.5) P6(-9.5,1.5) P7(-8.5,1.5) P8(-7.5,1.5) P9(-6.5,1.5) P10(-5.5,1.5) P11(-4.5,1.5) P12(-3.5,1.5) P13(-2.5,1.5) P14(-1.5,1.5) P15(-0.5,1.5) P16(0.5,1.5) P17(1.5,1.5) P18(2.5,1.5) P19(3.5,1.5) P20(4.5,1.5) P21(5.5,1.5) P22(6.5,1.5) P23(7.5,1.5) P24(8.5,1.5) P25(9.5,1.5) P26(10.5,1.5) P27(11.5,1.5) P28(12.5,1.5) P29(13.5,1.5) P30(14.5,1.5) R1(-14.5,0.5) R2(-13.5,0.5) R3(-12.5,0.5) R4(-11.5,0.5) R5(-10.5,0.5) R6(-9.5,0.5) R7(-8.5,0.5) R8(-7.5,0.5) R9(-6.5,0.5) R10(-5.5,0.5) R11(-4.5,0.5) R12(-3.5,0.5) R13(-2.5,0.5) R14(-1.5,0.5) R15(-0.5,0.5) R16(0.5,0.5) R17(1.5,0.5) R18(2.5,0.5) R19(3.5,0.5) R20(4.5,0.5) R21(5.5,0.5) R22(6.5,0.5) R23(7.5,0.5) R24(8.5,0.5) R25(9.5,0.5) R26(10.5,0.5) R27(11.5,0.5) R28(12.5,0.5) R29(13.5,0.5) R30(14.5,0.5) T1(-14.5,-0.5) T2(-13.5,-0.5) T3(-12.5,-0.5) T4(-11.5,-0.5) T5(-10.5,-0.5) T6(-9.5,-0.5) T7(-8.5,-0.5) T8(-7.5,-0.5) T9(-6.5,-0.5) T10(-5.5,-0.5) T11(-4.5,-0.5) T12(-3.5,-0.5) T13(-2.5,-0.5) T14(-1.5,-0.5) T15(-0.5,-0.5) T16(0.5,-0.5) T17(1.5,-0.5) T18(2.5,-0.5) T19(3.5,-0.5) T20(4.5,-0.5) T21(5.5,-0.5) T22(6.5,-0.5) T23(7.5,-0.5) T24(8.5,-0.5) T25(9.5,-0.5) T26(10.5,-0.5) T27(11.5,-0.5) T28(12.5,-0.5) T29(13.5,-0.5) T30(14.5,-0.5) U1(-14.5,-1.5) U2(-13.5,-1.5) U3(-12.5,-1.5) U4(-11.5,-1.5) U5(-10.5,-1.5) U6(-9.5,-1.5) U7(-8.5,-1.5) U8(-7.5,-1.5) U9(-6.5,-1.5) U10(-5.5,-1.5) U11(-4.5,-1.5) U12(-3.5,-1.5) U13(-2.5,-1.5) U14(-1.5,-1.5) U15(-0.5,-1.5) U16(0.5,-1.5) U17(1.5,-1.5) U18(2.5,-1.5) U19(3.5,-1.5) U20(4.5,-1.5) U21(5.5,-1.5) U22(6.5,-1.5) U23(7.5,-1.5) U24(8.5,-1.5) U25(9.5,-1.5) U26(10.5,-1.5) U27(11.5,-1.5) U28(12.5,-1.5) U29(13.5,-1.5) U30(14.5,-1.5) V1(-14.5,-2.5) V2(-13.5,-2.5) V3(-12.5,-2.5) V4(-11.5,-2.5) V5(-10.5,-2.5) V6(-9.5,-2.5) V7(-8.5,-2.5) V8(-7.5,-2.5) V9(-6.5,-2.5) V10(-5.5,-2.5) V11(-4.5,-2.5) V12(-3.5,-2.5) V13(-2.5,-2.5) V14(-1.5,-2.5) V15(-0.5,-2.5) V16(0.5,-2.5) V17(1.5,-2.5) V18(2.5,-2.5) V19(3.5,-2.5) V20(4.5,-2.5) V21(5.5,-2.5) V22(6.5,-2.5) V23(7.5,-2.5) V24(8.5,-2.5) V25(9.5,-2.5) V26(10.5,-2.5) V27(11.5,-2.5) V28(12.5,-2.5) V29(13.5,-2.5) V30(14.5,-2.5) W1(-14.5,-3.5) W2(-13.5,-3.5) W3(-12.5,-3.5) W4(-11.5,-3.5) W5(-10.5,-3.5) W6(-9.5,-3.5) W7(-8.5,-3.5) W8(-7.5,-3.5) W9(-6.5,-3.5) W10(-5.5,-3.5) W11(-4.5,-3.5) W12(-3.5,-3.5) W13(-2.5,-3.5) W14(-1.5,-3.5) W15(-0.5,-3.5) W16(0.5,-3.5) W17(1.5,-3.5) W18(2.5,-3.5) W19(3.5,-3.5) W20(4.5,-3.5) W21(5.5,-3.5) W22(6.5,-3.5) W23(7.5,-3.5) W24(8.5,-3.5) W25(9.5,-3.5) W26(10.5,-3.5) W27(11.5,-3.5) W28(12.5,-3.5) W29(13.5,-3.5) W30(14.5,-3.5) Y1(-14.5,-4.5) Y2(-13.5,-4.5) Y3(-12.5,-4.5) Y4(-11.5,-4.5) Y5(-10.5,-4.5) Y6(-9.5,-4.5) Y7(-8.5,-4.5) Y8(-7.5,-4.5) Y9(-6.5,-4.5) Y10(-5.5,-4.5) Y11(-4.5,-4.5) Y12(-3.5,-4.5) Y13(-2.5,-4.5) Y14(-1.5,-4.5) Y15(-0.5,-4.5) Y16(0.5,-4.5) Y17(1.5,-4.5) Y18(2.5,-4.5) Y19(3.5,-4.5) Y20(4.5,-4.5) Y21(5.5,-4.5) Y22(6.5,-4.5) Y23(7.5,-4.5) Y24(8.5,-4.5) Y25(9.5,-4.5) Y26(10.5,-4.5) Y27(11.5,-4.5) Y28(12.5,-4.5) Y29(13.5,-4.5) Y30(14.5,-4.5)